# KiCad board RP2040_motor.kicad_pcb (continued)
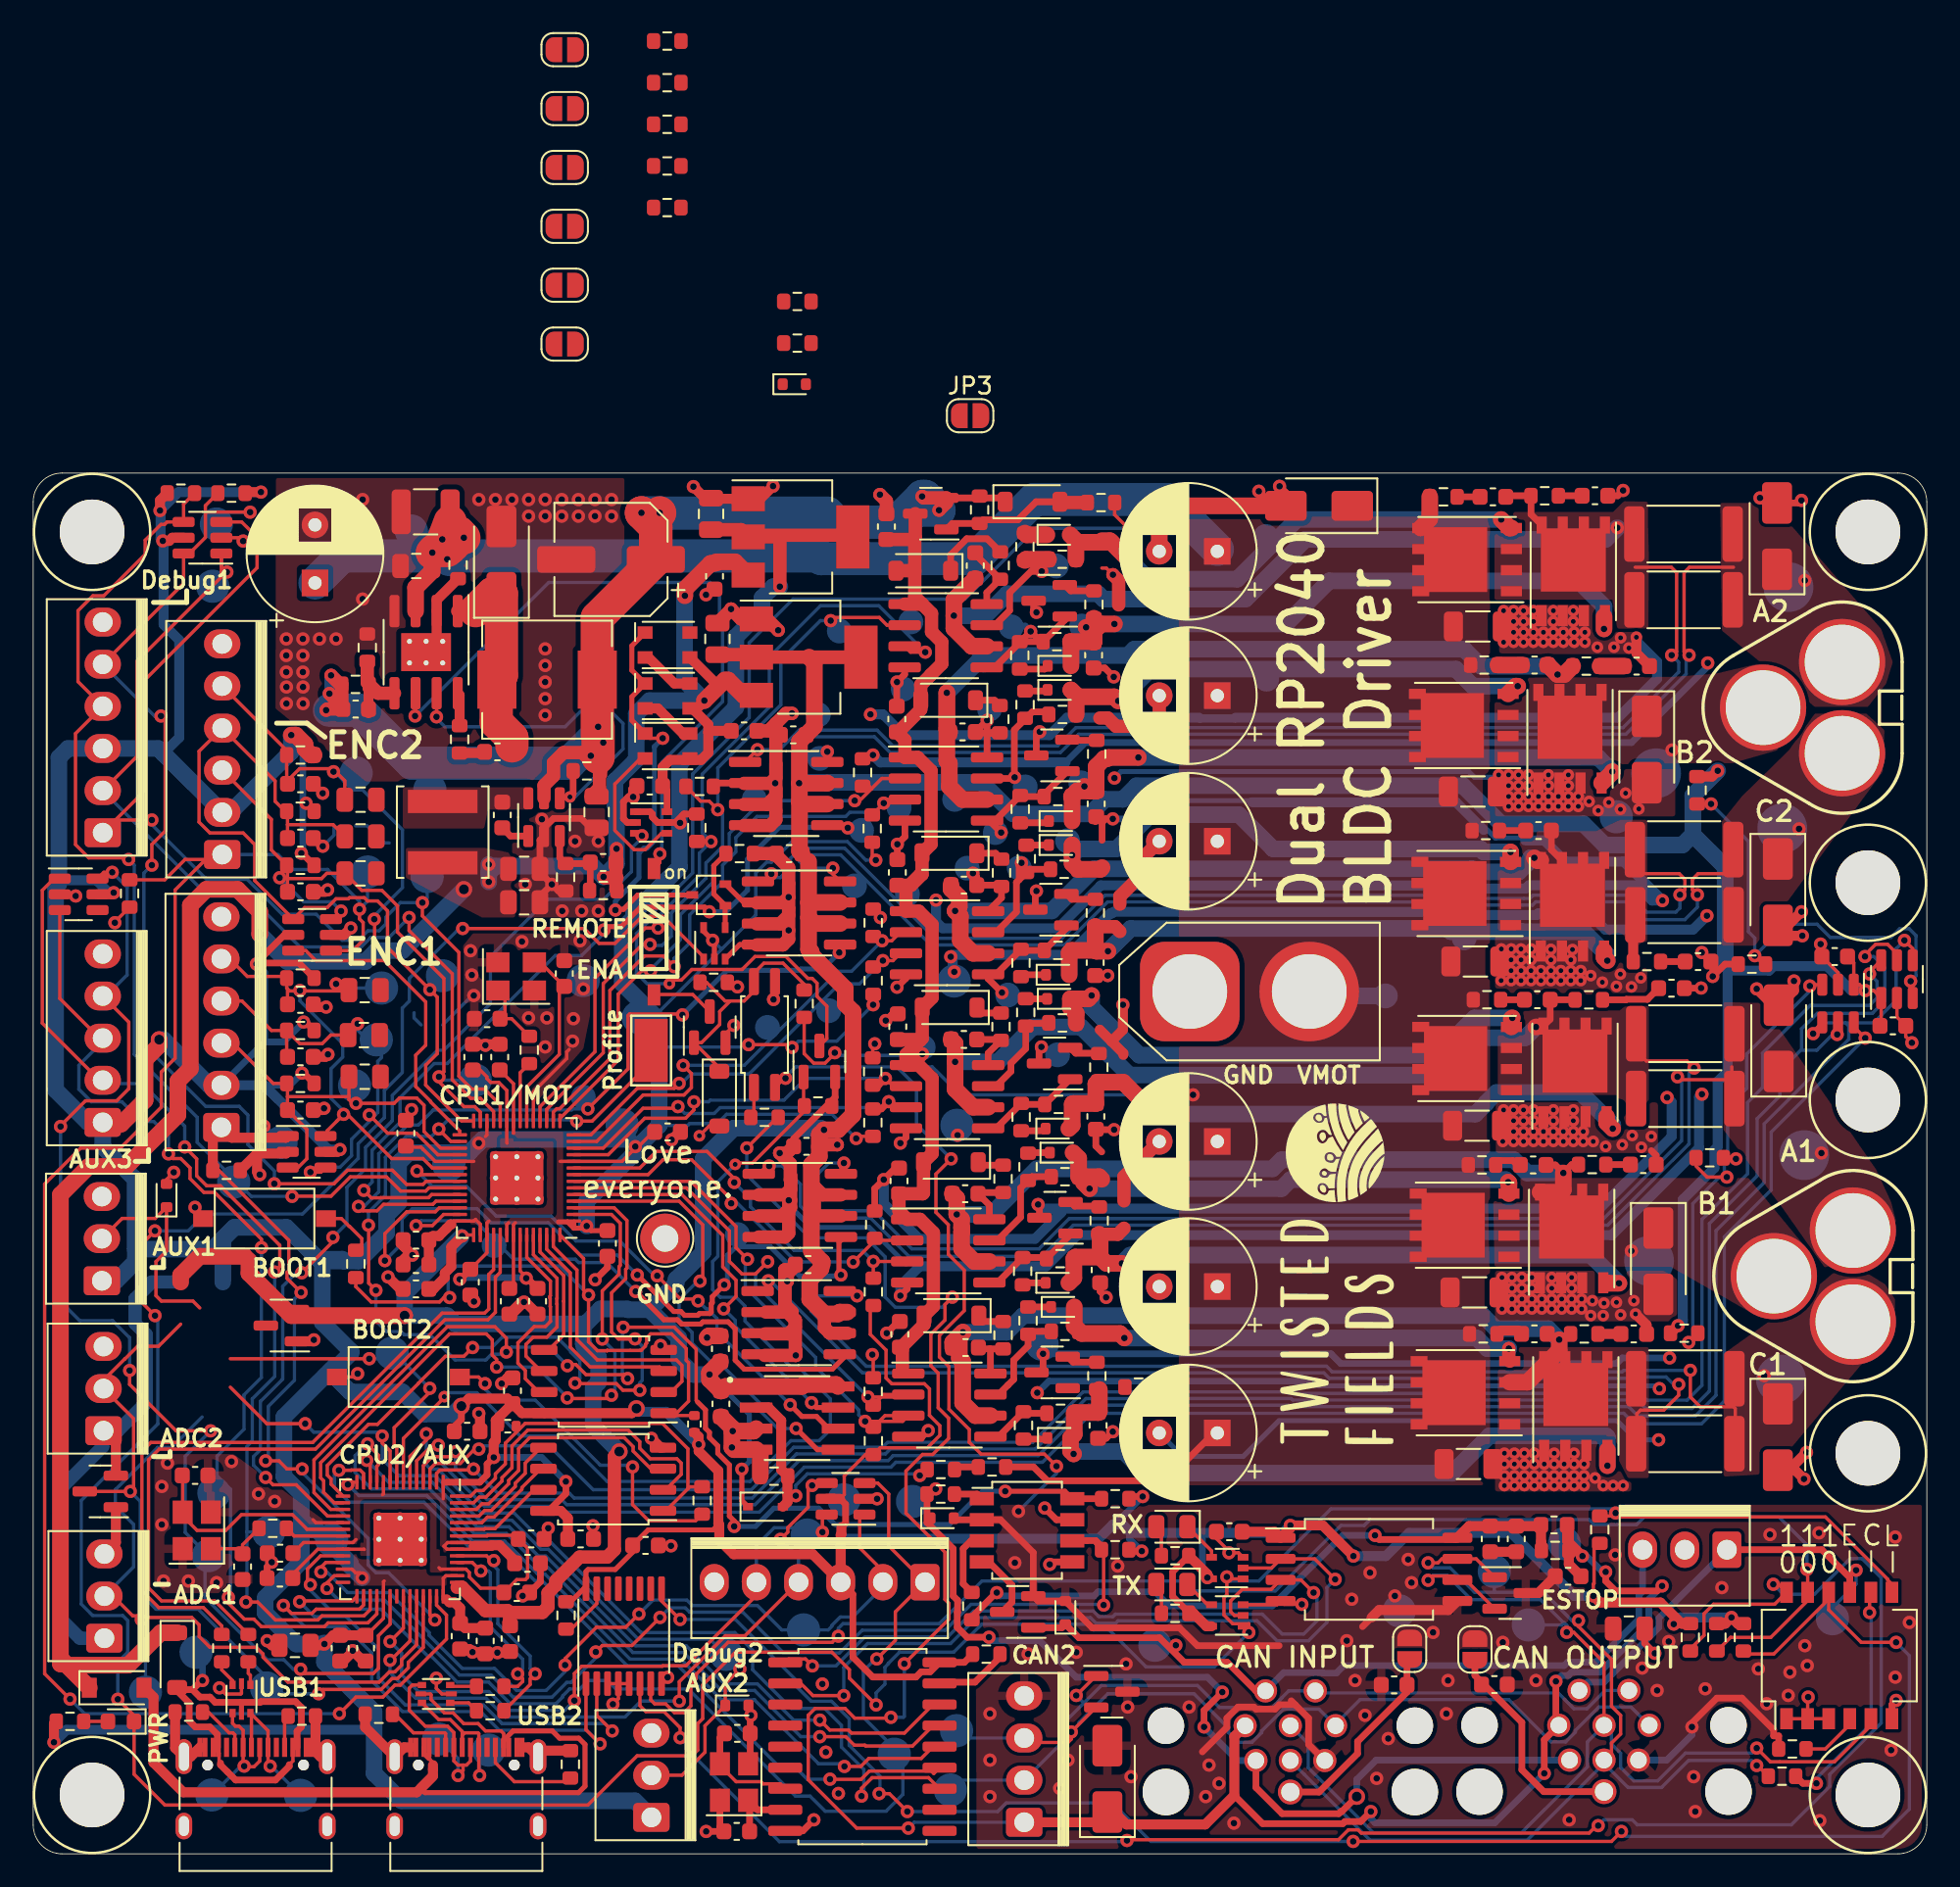
[diagram p0: board, top side]
## Routing (per net, layer and track width the routed paths; a pad name or vN(x,y) marks a point on that pad's centre or on a via; arc(x,y) is an arc through that point) (continued)
  Bottom w0.2: v2(18.45,8.45) 3.1,8.45 v2(2.22,9.33) ; 20.14,59.23 20.14,57.43 v2(19.66,56.95) 19.66,57.43 17.74,59.35 15.65,59.35 14.75,60.25 J4.1
/power_and_cpu/TXD: length 43.8
  Top w0.2: 72.91,14.37 72.38,14.37 72.15,14.6 72.15,15.25 72.85,15.95 74.6,15.95 U17.3 76.38,16.52 v2(77.15,15.75) ; U18.1 45.52,11.75 46.53,11.75 v2(46.95,11.33)
  Bottom w0.2: v2(77.15,15.75) 77.35,15.55 77.35,14.05 76.55,13.25 75.26,13.25 74.06,14.45 65.21,14.45 65.06,14.3 64.21,14.3 63.87,14.64 56.67,14.64 55.11,13.08 50.11,13.08 48.36,11.33 v2(46.95,11.33)
/power_and_cpu/TXO_2: length 42
  Top w0.2: v2(21.5,12.8) 22.3,13.6 22.3,14.94 22.31,14.95 U19.36 ; v2(32.61,9.24) 32.61,10.87 33.05,11.31 37.91,11.31 37.94,11.34 39.33,11.34 43.58,15.59 J12.5 43.54,16.42 42.79,16.42 ; U3.6 47.55,20.2 v2(47.55,19.4)
  Bottom w0.2: 46.53,19.4 v2(47.55,19.4) 47.29,19.66 44.65,19.66 43.58,18.59 J12.5 ; v2(32.61,9.24) 32.02,8.65 28.58,8.65 27.45,9.78 23.22,9.78 22.2,10.8 22.2,12.1 v2(21.5,12.8)
/power_and_cpu/USB_D+: length 8.3
  Top w0.2: J1.A6 13.15,8.42 U27.6 14.15,7.42 J1.B6 14.15,5.41 v2(14.28,5.29)
  Bottom w0.2: TP41.1 14.35,5.29 v2(14.28,5.29)
/power_and_cpu/USB_D-: length 8.2
  Top w0.2: 12.84,5.41 12.65,5.59 J1.B7 12.65,7.45 12.41,7.7 12.19,7.7 12.01,7.87 U27.4 ; 12.84,5.41 12.99,5.25 13.3,5.25 13.65,5.59 J1.A7 ; 12.84,5.41 v2(12.71,5.29)
  Bottom w0.2: TP42.1 12.5,5.29 v2(12.71,5.29)
/power_and_cpu/USB_D_2+: length 9.6
  Top w0.2: 25.84,6.44 J6.A6 25.85,7.14 26.01,7.3 26.8,7.3 26.85,7.25 J6.B6 26.85,4.78 v2(26.9,4.73) ; U28.6 24.43,8.09 25.13,8.09 25.85,7.38 25.85,7
  Bottom w0.2: TP43.1 26.9,5.71 v2(26.9,4.73)
/power_and_cpu/USB_D_2-: length 12.6
  Top w0.2: U28.4 22.85,10.18 22.66,9.99 22.66,8.66 23.63,7.7 24.97,7.7 25.35,7.31 J6.B7 25.35,5.59 25.6,5.35 25.9,5.35 ; v2(25.6,4.73) 25.9,5.03 25.9,5.35 ; J6.A7 26.35,5.59 26.1,5.35 25.9,5.35
  Bottom w0.2: v2(25.6,4.73) 25.6,5.75 TP39.1
/power_and_cpu/USB_DN: length 43.7
  Top w0.2: 11.36,13.3 R61.2 11.36,13.74 10.25,14.85 7.57,14.85 6.55,15.87 6.55,24.26 7.09,24.8 16.84,24.8 24.64,32.6 27.2,32.6 27.45,32.85 27.45,34.93 27.74,35.22 U15.46
/power_and_cpu/USB_DN_2: length 11.2
  Top w0.2: v2(26.97,17.05) 26.46,17.57 U19.46 ; R71.2 29.2,10.1 29.49,10.39 29.49,10.55 v2(29.2,10.85)
  Bottom w0.2: v2(29.2,10.85) 29.49,11.15 29.49,11.74 27.54,13.69 27.54,16.94 27.43,17.05 v2(26.97,17.05) 27.08,17.05
/power_and_cpu/USB_DP: length 44.3
  Top w0.2: U15.47 28.14,35.06 27.85,34.77 27.85,32.65 27.4,32.2 24.81,32.2 17.01,24.4 7.59,24.4 6.95,23.76 6.95,16.03 7.73,15.25 10.94,15.25 R60.2 12.96,13.3
/power_and_cpu/USB_DP_2: length 13.2
  Top w0.2: v2(30.24,10.85) 29.95,10.55 29.95,10.21 R70.2 ; v2(27.75,17.68) 27.6,17.68 27.32,17.97 U19.47
  Bottom w0.2: v2(30.24,10.85) 29.95,11.15 29.95,11.92 27.99,13.87 27.99,17.13 27.75,17.37 v2(27.75,17.68)
/power_and_cpu/VDC_CLK: length 24.6
  Top w0.2: v2(41.61,32.86) 42.35,33.6 42.35,34.58 41.55,35.38 41.55,37.29 39.09,39.75 U15.5
  Top w0.3: v2(46.9,27.2) 47.19,26.91 U22.7
  Bottom w0.2: v2(41.61,32.86) 42.3,32.16 42.3,31.8 v2(46.9,27.2)
/power_and_cpu/VDC_CS: length 28.2
  Top w0.2: U15.4 38.92,39.35 40.35,37.92 40.35,34.7 v2(40.18,34.53)
  Top w0.3: v2(45.97,25.65) 47.25,24.37 U22.5
  Bottom w0.2: v2(40.18,34.53) 40.04,34.53 38.92,33.41 38.92,32.22 39.7,31.44 39.7,30.79 40.79,29.7 41.25,29.7 43.85,27.1 43.85,26.65 44.86,25.64 45.96,25.64 v2(45.97,25.65)
/power_and_cpu/WS2812_SINK: length 25.3
  Top w0.2: D33.1 37.15,67.26 v2(37.93,67.26)
  Top w0.3: v2(35.08,56.9) 35.13,56.95 35.57,56.95 36.43,57.81 39.71,57.81 Q11.3 ; D33.1 36.07,68.34 36.07,69.76 D34.1 36.07,71.36 36.07,72.83 D35.1
  Bottom w0.3: v2(37.93,67.26) 37.43,66.76 37.43,61.07 36.99,60.63 36.79,60.63 36.5,60.34 36.5,58.86 35.08,57.44 v2(35.08,56.9)
/power_and_cpu/~{EN}: length 41.8
  Top w0.2: U33.6 23.04,68.63 v2(23.01,68.6) ; SW4.2 37.76,59.76 v2(37.76,60.29)
  Bottom w0.2: v2(37.76,60.29) 37.88,60.41 37.88,65.81 41.54,69.47 41.54,74.57 41.35,74.76 41.35,76.09 40.79,76.65 31.06,76.65 v2(23.01,68.6)
/power_and_cpu/~{USB_BOOT_2}: length 20.2
  Top w0.2: v2(27.23,28.35) 26.83,28.75 SW2.2 ; v2(36.11,23.33) 36.11,21.06 37.09,20.08 39.91,20.08 R66.2
  Top w0.4: R66.2 40.11,20.68
  Bottom w0.2: v2(27.23,28.35) 27.23,28.02 27.89,27.35 30.25,27.35 34.17,23.43 36.01,23.43 v2(36.11,23.33)
/power_and_cpu/~{USB_BOOT}: length 3.5
  Top w0.2: R41.2 19.8,36.75 19.8,37.09 19.06,37.83 19.04,37.83 18.57,38.3 SW1.2
M1A_PWM_H: length 23.3
  Top w0.2: v2(39.81,45.34) 39.81,44.85 39.31,44.35 36.85,44.35 34.65,42.15 U15.11 ; v2(51.35,46.75) 51.82,46.29 U7.2
  Top w0.4: R129.2 50.94,46.34 v2(51.35,46.75)
  Bottom w0.2: v2(51.35,46.75) 46.55,46.75 45.24,45.44 40.79,45.44 40.69,45.34 v2(39.81,45.34)
M1A_PWM_L\: length 22.8
  Top w0.2: U15.12 34.35,42.55 36.75,44.95 38.75,44.95 v2(38.85,45.05) ; v2(51.55,45.35) 51.88,45.02 U7.3
  Top w0.4: v2(51.55,45.35) 51.11,44.91 R130.2
  Bottom w0.2: v2(51.55,45.35) 51.19,44.99 41.39,44.99 41.04,44.64 39.26,44.64 v2(38.85,45.05)
M1A_SENSE: length 45.4
  Top w0.2: v2(21.19,35.76) 21.19,37.39 22.51,38.71 24.23,38.71 24.47,38.95 U15.40
  Top w0.3: v2(41.64,34.31) 40.92,33.59 40.92,33.23 40.86,33.17 40.86,32.66 40.77,32.58 40.15,32.58 40.04,32.47 39.25,32.47 39.02,32.7 38.6,32.7 v2(36.4,34.9) ; 48.85,37.17 48.55,36.87 48.55,35.02 v2(48.67,34.9)
  Bottom w0.2: v2(36.4,34.9) 35.2,36.1 32.99,36.1 31.03,38.05 27.58,38.05 26.73,38.9 22.85,38.9 22.23,38.28 22.23,36.8 v2(21.19,35.76)
  Bottom w0.3: v2(41.64,34.31) 41.83,34.5 41.83,36.09 42.35,36.61 44.41,36.61 46.18,34.84 48.61,34.84 v2(48.67,34.9)
M1B_PWM_H: length 23.7
  Top w0.2: v2(42.06,39.22) 42.06,39.46 39.67,41.85 37.95,41.85 37.05,40.95 U15.8 ; v2(49.41,35.68) 50.71,36.98 U4.2
  Bottom w0.2: v2(42.06,39.22) 42.44,39.22 45.97,35.69 49.4,35.69 v2(49.41,35.68)
M1B_PWM_L\: length 24.7
  Top w0.2: v2(42.24,40.48) 42.24,40.71 40.6,42.35 37.55,42.35 36.55,41.35 U15.9 ; U4.3 50.62,35.72 v2(50.62,35.72) 50.62,34.72 R126.2
  Bottom w0.2: v2(50.62,35.72) 49.96,36.38 45.85,36.38 43.22,39.01 43.22,39.5 v2(42.24,40.48)
M1C_PWM_H: length 31.4
  Top w0.2: R127.2 51.26,27.69 U1.2 52.58,27.54 v2(50.3,27.54) ; v2(44.26,35.7) 43.52,34.96 42.71,34.96 41.95,35.72 41.95,37.56 39.36,40.15 U15.6
  Bottom w0.2: v2(44.26,35.7) 43.53,34.97 43.53,34.21 43.95,33.79 44.05,33.79 v2(50.3,27.54)
M1C_PWM_L\: length 31.1
  Top w0.2: v2(50.13,26.08) 52.39,26.08 U1.3 51.33,26.42 R128.2 ; U15.7 39.62,40.55 42.35,37.82 42.35,36.54 v2(43.04,35.85)
  Bottom w0.2: v2(43.04,35.85) 42.91,35.72 42.91,34.17 47.15,29.93 47.15,29.35 49.74,26.76 49.74,26.46 v2(50.13,26.08)
M1C_SENSE: length 34.3
  Top w0.2: U15.41 24.73,38.55 24.05,37.87 v2(23.07,37.87)
  Top w0.3: v2(36.3,33.91) 38.01,32.2 38.81,32.2 39.07,31.94 40.22,31.94 40.35,32.08 41.88,32.08 42.3,31.65 42.3,29.76 42.84,29.22 48.15,29.22 49.05,30.12
  Bottom w0.2: v2(36.3,33.91) 34.56,35.65 32.87,35.65 32.67,35.85 28.95,35.85 26.63,38.17 23.37,38.17 v2(23.07,37.87)
M2A_PWM_H: length 45.9
  Top w0.2: v2(37.17,54.83) 36.71,54.83 34.35,52.47 34.35,48.3 30.94,44.89 U15.17 ; v2(41.25,62.95) 40.73,63.47 40.22,63.47 R120.2 ; U8.2 51.45,74.08 50.99,74.54 48.24,74.54 v2(48.05,74.35)
  Bottom w0.2: v2(37.17,54.83) 37.23,54.77 37.89,54.77 38.45,55.33 38.45,56.73 40.54,58.82 40.54,59.74 41.54,60.74 41.54,62.66 v2(41.25,62.95) 41.25,65.47 45.05,69.27 45.05,71.97 47.43,74.35 v2(48.05,74.35)
M2A_PWM_L\: length 49.3
  Top w0.2: U8.3 52.87,72.45 v2(53.75,72.45) ; U15.18 30.54,45.05 33.85,48.36 33.85,52.79 36.88,55.82 v2(37.65,55.82) ; v2(40.84,61.03) 40.83,61.04 R119.2
  Bottom w0.2: v2(40.84,61.03) 40.31,61.56 40.31,65.1 44.35,69.14 44.35,72.16 47.44,75.25 50.95,75.25 v2(53.75,72.45) ; v2(40.84,61.03) 40.14,60.33 40.14,58.98 37.65,56.49 v2(37.65,55.82) ; v2(40.84,61.03) 40.42,61.45
M2A_SENSE: length 49
  Top w0.2: v2(19.92,40) 20.37,39.55 20.93,39.55 20.94,39.56 23.82,39.56 24.01,39.75 U15.38
  Top w0.3: v2(49.08,61.86) 48.92,62.02 U21.5 ; v2(34.39,55.7) 34.59,55.9 35.43,55.9 36.61,57.08 40.46,57.08 v2(40.74,56.8)
  Bottom w0.2: v2(19.92,40) 20.42,40.5 20.42,42.42 22.1,44.1 22.1,45.59 24.16,47.65 24.95,47.65 31.46,54.16 33.05,54.16 34.39,55.5 v2(34.39,55.7)
  Bottom w0.3: v2(40.74,56.8) 41.74,56.8 43.04,58.1 43.04,59.97 44.96,61.89 49.05,61.89 v2(49.08,61.86)
M2B_PWM_H: length 34.4
  Top w0.2: 50.52,64.22 50.37,64.37 R121.2 ; 50.52,64.22 49.79,63.5 v2(49.5,63.5) ; 50.52,64.22 51.13,64.84 U5.2 ; U15.15 31.74,44.34 35.25,47.85 35.25,51.83 36.66,53.24 v2(37.2,53.24)
  Bottom w0.2: v2(37.2,53.24) 37.2,53.32 39,55.12 39,56.62 40.94,58.56 40.94,59.57 41.94,60.57 41.94,61.51 43.93,63.5 v2(49.5,63.5)
M2B_PWM_L\: length 36.7
  Top w0.2: R122.2 51.25,63.34 v2(51.25,63.35) 51.46,63.57 U5.3 ; v2(38.62,53.49) 37.98,54.13 36.83,54.13 34.75,52.05 34.75,47.95 31.73,44.93 31.55,44.93 31.34,44.72 U15.16
  Bottom w0.2: v2(38.62,53.49) 38.62,53.99 39.56,54.93 39.56,56.61 41.54,58.59 41.54,59.61 42.34,60.41 42.34,61.27 43.62,62.55 48.96,62.55 49.21,62.8 50.7,62.8 v2(51.25,63.35) 51.7,63.35 52.02,63.03
M2C_PWM_H: length 27.4
  Top w0.2: R123.2 50.88,55.05 v2(51.15,55.05) 51.73,55.05 52.25,55.57 U2.2 ; v2(39.16,47.54) 39.66,47.04 39.66,46.2 39.21,45.75 36.75,45.75 33.95,42.95 U15.13
  Bottom w0.2: v2(39.16,47.54) 42.85,47.54 48.52,53.21 49.31,53.21 v2(51.15,55.05)
M2C_PWM_L\: length 25.3
  Top w0.2: U2.3 52.25,54.3 51.81,53.85 v2(51.2,53.85) 50.81,53.47 R124.2 ; v2(38.92,46.45) 38.62,46.15 36.4,46.15 33.6,43.35 U15.14
  Bottom w0.2: v2(51.2,53.85) 49.79,52.45 48.57,52.45 43.14,47.02 39.63,47.02 39.06,46.45 v2(38.92,46.45)
M2C_SENSE: length 45.5
  Top w0.2: v2(19.6,39.03) 19.86,38.77 20.72,38.77 21.11,39.16 24.08,39.16 24.27,39.35 U15.39 ; v2(33.42,44.91) 35.84,47.33 35.84,50.54 35.93,50.64 39.07,50.64 v2(39.12,50.58)
  Top w0.3: U44.5 48.57,54.77 v2(48.57,54.34)
  Bottom w0.2: v2(33.42,44.91) 32.5,44.91 32.44,44.85 24.11,44.85 23.2,43.94 22.55,43.94 20.82,42.21 20.82,39.91 19.94,39.03 v2(19.6,39.03)
  Bottom w0.3: v2(48.57,54.34) 47.58,53.35 46.26,53.35 46.18,53.27 41.81,53.27 v2(39.12,50.58)
VMOT: length 115.5
  Top w0.2: R102.1 46.46,48.25 47.03,47.67 47.71,47.67 48.3,48.26 v2(48.3,48.3)
  Top w0.4: R2.1 60.27,23.33 61.11,22.49 68.26,22.49 71.39,25.62
  Top w0.6: 17.1,76.51 C120.1
  Top w1: R86.1 84.15,80.48 83.6,79.94 ; U33.3 23.04,76.34 24.04,77.34 C112.1
  Top w2: 24.95,78.58 24.18,78.58 v2(24.05,78.45) ; 25.13,80.31 24.65,79.05 25.13,78.74 25.65,79.26 25.65,79.65 v2(25.95,79.35)
  Bottom w0.2: v2(48.3,48.3) 48.46,48.14 52.24,48.14 52.93,47.45 54.17,47.45 55.86,45.76 v2(69.89,45.76)
  Bottom w1: 76.99,51.99 77.25,51.73 TP72.1
  Bottom w2: 71.35,78.65 68.35,81.65 60.3,81.65 56.74,78.09 47.49,78.09 47.33,78.25 25.25,78.25 ; 25.25,78.25 25.05,78.05 25.25,78.05 25.25,78.25 ; 25.25,78.25 24.25,78.25 v2(24.05,78.45) 23.85,78.25 18.61,78.25 C120.1 ; v2(24.65,79.25) 25.45,79.25
  vias: v2(24.95,78.05)
Net-(C28-Pad1): length 4
  Top w0.2: 30.09,49.19 29.99,49.19 28.83,50.35 28.43,50.35 28.43,51.62 Y1.1
Net-(C42-Pad1): length 4
  Top w0.2: Y2.1 12.31,18.4 C42.1 12.62,18.63 R47.2
Net-(C93-Pad1): length 1.4
  Top w0.4: R4.2 C93.1
Net-(C99-Pad1): length 1.7
  Top w0.4: C99.1 89.41,41.54 89.15,41.8 88.39,41.8 88.12,41.54
Net-(C100-Pad1): length 1.6
  Top w0.6: C100.1 89.48,31.55 88.45,31.55 88.25,31.35
Net-(C101-Pad1): length 1.4
  Top w0.4: C101.1 R86.2
Net-(C102-Pad1): length 1.4
  Top w0.4: C102.1 R87.2
Net-(C103-Pad1): length 1.6
  Top w0.4: C103.1 R88.2
Net-(C104-Pad1): length 1.5
  Top w0.4: R89.2 C104.1
Net-(C105-Pad1): length 1.4
  Top w1: R90.2 C105.1
Net-(C106-Pad1): length 1.4
  Top w1: R91.2 C106.1
Net-(C107-Pad1): length 3.7
  Top w0.4: R92.2 95.97,51.49 96,51.52 97.26,51.52 97.27,51.52 C107.1
Net-(C108-Pad1): length 1.5
  Top w0.4: R93.2 C108.1
Net-(C109-Pad1): length 1.4
  Top w0.6: R94.2 C109.1
Net-(C114-Pad2): length 1.5
  Top w0.6: R98.2 27.13,66.37 C114.2
Net-(D2-K): length 1.6
  Top w0.4: R26.1 57.93,69.55 D2.1
Net-(D5-K): length 1.6
  Top w0.4: R7.2 59.63,53 D5.1
Net-(D6-K): length 1.4
  Top w0.4: 59.84,60.82 61.19,60.82 D6.1
Net-(D7-K): length 4.7
  Top w0.4: 58.27,78.5 57.47,79.29 56.25,79.29 55.29,78.33 D7.1
Net-(D10-K): length 1.6
  Top w0.4: 56.85,60.33 57.99,60.33 R1.1
Net-(D11-K): length 1.6
  Top w0.4: D11.1 57.34,32.09 58.44,32.09
Net-(D12-K): length 1.5
  Top w0.4: R20.2 61.04,25.01 D12.1
Net-(D13-K): length 1.4
  Top w0.4: R82.2 59.95,32.98 D13.1
Net-(D14-K): length 1.8
  Top w0.4: R30.2 60.93,71.43 D14.1
Net-(D15-K): length 1.4
  Top w0.4: 61.13,70.18 61.06,70.11 R22.2
Net-(D16-K): length 1.8
  Top w0.4: D16.1 61.1,62.16 R18.2
Net-(D17-K): length 1.4
  Top w1: D17.1 59.86,79.53 R31.2
Net-(D19-K): length 1.6
  Top w0.4: D19.1 57.2,50.7 R37.1
Net-(D20-K): length 1.5
  Top w0.4: R38.2 60.88,43.59 D20.1
Net-(D21-K): length 1.6
  Top w0.4: R6.1 57.13,41.52 D21.1
Net-(D22-K): length 1.4
  Top w0.4: R34.2 59.74,34.43 D22.1
Net-(D23-K): length 1.3
  Top w0.4: R35.2 59.98,42.28 D23.1
Net-(D24-K): length 1.3
  Top w0.4: D24.1 59.81,51.55 R39.2
Net-(D31-A): length 16.9
  Top w0.2: 45.45,21.62 45.48,21.59 v2(45.95,21.59) ; v2(53.42,22.81) 53.42,22.88 53.85,23.31
  Top w0.6: D31.2 45.45,21.21 45.45,22.76 R65.1 45.07,23.16 45.07,26.13 44.29,26.91 U22.2
  Bottom w0.2: v2(53.42,22.81) 53.32,22.91 46.64,22.91 45.95,22.22 v2(45.95,21.59)
Net-(D33-DIN): length 8.9
  Top w0.2: U10.4 37.86,61.53 36.87,60.54 36.21,60.54 35.05,61.7 35.05,64.5 36.5,65.95
Net-(D33-DOUT): length 3
  Top w0.6: 39.2,67.45 39.2,67.5 37.64,69.06 D34.2
Net-(D34-DOUT): length 3.4
  Top w0.6: D35.2 37.07,72.13 38.64,70.56 D34.4
Net-(D38-A): length 1.9
  Top w0.2: D38.2 67.98,15.92 67.98,14.5
Net-(D38-K): length 2
  Top w0.2: U6.4 70.76,15.02 D38.1
Net-(D39-A): length 1.9
  Top w0.2: R68.2 67.98,19.41 D39.2
Net-(D39-K): length 2.4
  Top w0.2: D39.1 71,18.27 U23.4
Net-(D41-A): length 1.5
  Top w0.2: R77.2 4.5,7.99 D41.2
Net-(D45-K): length 15.2
  Top w0.2: R102.2 46.46,52.43 45.18,53.7 44.03,53.7 43.43,53.1 U16.4 43.43,52.01 42.84,51.42 41.69,51.42 40.56,52.55 R103.1 ; D45.1 41.35,47.38 Q8.1 40.27,48.91 41.37,50 41.37,50.79 42,51.42
Net-(D46-A): length 9.2
  Top w0.4: Q10.1 55.39,80.21 R139.1 57.24,80.43 59.34,80.43 60.43,81.52 D46.2
  Top w0.8: R104.1 61.92,81.47 D46.2
Net-(J1-CC1): length 3.3
  Top w0.2: J1.A5 12.15,7.18 12.03,7.3 11.8,7.3 10.56,8.54 R43.2
Net-(J1-CC2): length 2
  Top w0.2: J1.B5 15.15,8.09 R44.1
Net-(J6-CC1): length 4.5
  Top w0.2: J6.A5 24.85,7.25 24.8,7.3 22.91,7.3 21.8,8.41 R40.2
Net-(J6-CC2): length 6
  Top w0.2: R46.1 32.14,4.35 28.99,4.35 27.85,5.49 J6.B5
Net-(JP2-B): length 0.1
  Top w0.2: 20.88,52.03 C89.2
Net-(JP5-B): length 2.4
  Bottom w0.2: 19.43,61.98 20.13,61.98 21.15,60.95 21.45,60.95
Net-(JP6-B): length 13.3
  Top w0.4: J17.9 91.02,3.75 89.7,5.07 89.7,7.93 86.87,10.76 JP6.2
Net-(JP7-B): length 12
  Top w0.4: J2.9 77.48,3.73 79.8,6.04 79.8,6.77 82.78,9.75 82.78,11.56 JP7.2 82.94,11.76
Net-(Q1-E): length 1.8
  Top w0.4: R23.1 62.36,67.14 62.32,67.18
Net-(Q2-E): length 1.9
  Top w0.4: Q2.2 62.58,57.55 R29.1
Net-(Q3-E): length 1.9
  Top w0.4: R36.1 62.51,76.15 Q3.2
Net-(Q4-E): length 1.9
  Top w0.4: Q4.2 62.81,48.27 64.24,48.27
Net-(Q5-E): length 1.8
  Top w0.4: Q5.2 62.76,39.05 64.19,39.05 R81.1
Net-(Q6-B): length 0.1
  Top w0.4: 62.48,28.08 Q6.1
Net-(Q6-E): length 2
  Top w0.4: Q6.2 62.66,29.65 64.24,29.65
Net-(Q7-D): length 4.3
  Top w0.4: Q7.3 58.98,15.18 58.98,16.2 57.58,17.6 U34.4
Net-(Q8-D): length 3.8
  Top w0.2: Q8.3 39.74,51.81 37.43,51.81 SW4.1
Net-(Q9-D): length 67
  Top w0.2: v1(38.34,52.46) 38.56,52.68 39.05,52.68 39.69,53.32 42.71,53.32 43.49,54.1 45.36,54.1 46.68,52.78 46.94,52.78 47.23,52.49 47.23,51.7 47.82,51.11 47.82,49.16 Q9.3 ; v1(65.98,79.92) 65.17,80.73 R104.2
  Bottom w0.2: v1(38.34,52.46) 36.99,52.46 36.35,53.1 36.35,55.48 36.98,56.11 36.98,56.39 39.74,59.15 39.74,65.11 43.14,68.51 43.14,73.01 45.78,75.65 56.14,75.65 60.41,79.92 v1(65.98,79.92)
Net-(Q11-G): length 5.1
  Top w0.3: U25.4 41.7,57.15 Q11.1 41.02,57.87 41.02,59.58 R138.1
Net-(R2-Pad2): length 1.5
  Top w0.4: R2.2 55.51,23.33 55.5,23.31
Net-(R10-Pad1): length 3.4
  Top w0.2: R10.1 107.98,6.33 109.46,7.8 109.46,8
Net-(R48-Pad2): length 4.2
  Top w0.4: U34.3 56.51,18.87 56.04,18.4 56.04,16.29 56.55,15.77 R48.2
Net-(R60-Pad1): length 1.4
  Top w0.2: U27.1 13.09,10.76 12.96,10.89 R60.1
Net-(R61-Pad1): length 1.7
  Top w0.2: R61.1 11.36,11.09 12.01,10.44 U27.3
Net-(R70-Pad1): length 1.8
  Top w0.2: 25.13,9.1 26.24,9.1 R70.1
Net-(R71-Pad1): length 1.6
  Top w0.2: 25.13,10.18 25.2,10.1 R71.1
Net-(R75-Pad2): length 1.8
  Top w0.4: R75.2 56.88,21.69 U34.1
Net-(R95-Pad1): length 5.2
  Top w0.6: R95.1 24.31,75.59 U33.2 24.31,73.09 U33.9
Net-(R100-Pad2): length 1.9
  Top w0.2: U16.1 43.43,44.59 R100.2
Net-(U1-HO): length 6.4
  Top w0.4: 61.41,31.5 60.13,31.5 R82.1 59.95,30.62 59.08,29.76 59.08,28.6 58.74,28.26 58.73,28.26 58.16,27.69 U1.7
Net-(U1-LO): length 4.1
  Top w0.4: R83.1 59.77,26.56 59.67,26.66 58.17,25.15 U1.5
Net-(U1-VB): length 3
  Top w0.4: 57.65,30.45 57.68,30.42 U1.8 ; 57.65,30.45 57.04,30.45 C85.2 ; 57.65,30.45 R19.2
Net-(U2-HO): length 7.4
  Top w0.4: R28.1 60.04,59.36 R8.1 59.41,58.74 ; 59.41,58.74 59.24,58.57 59.24,56.79 58.02,55.57 U2.7 ; 59.41,58.74 59.41,59.61 v2(59.55,59.75)
Net-(U2-LO): length 7.5
  Top w0.4: 62.26,55.98 62.26,55.8 R27.1 59.59,54.47 59.52,54.54 59.52,54.52 58.02,53.03 U2.5 57.54,52.76 v2(58.38,51.93)
Net-(U2-VB): length 4.2
  Top w0.4: v2(56.62,59.13) 56.85,58.89 56.85,58.41 58.26,58.41 R1.2 58.35,57.64 U2.8
Net-(U4-HO): length 6.4
  Top w0.4: U4.7 58.1,36.98 59.49,38.38 59.49,40.15 R35.1 60.18,40.83 61.35,40.83
Net-(U4-LO): length 6.2
  Top w0.4: U4.5 58.11,34.45 R34.1 60.99,35.96 R78.1 62.51,37.34 62.51,37.4
Net-(U4-VB): length 3.4
  Top w0.4: R6.2 57,39.87 C71.2 57.62,39.11 U4.8
Net-(U5-HO): length 7.3
  Top w0.4: 58.88,64.84 58.95,64.9 v2(59.14,64.9) ; 58.88,64.84 59.12,65.07 59.12,67.77 60.21,68.85 61.04,68.85 R24.1 ; 58.88,64.84 U5.7
Net-(U5-LO): length 7.4
  Top w0.4: 62.32,65.28 60.91,63.87 R25.1 59.54,63.74 R18.1 57.96,62.3 U5.5 57.6,62.3 v2(58.32,61.58)
Net-(U5-VB): length 5
  Top w0.4: 58.24,67.59 57.75,67.59 ; 57.75,67.59 56.83,67.59 C13.2 56.77,67.64 v2(57.48,68.35) 57.48,68.34 U5.8 ; 57.75,67.59 57.71,67.55 57.48,67.55
Net-(U7-HO): length 6.3
  Top w0.4: U7.7 58.02,46.29 58.92,47.18 58.92,47.66 59.8,48.55 R39.1 59.97,50.07 61.2,50.07
Net-(U7-LO): length 6.2
  Top w0.4: 62.48,46.7 62.47,46.7 R59.1 59.59,45.19 R38.1 58.03,43.75 U7.5
Net-(U7-VB): length 3.3
  Top w0.4: U7.8 57.54,48.27 R37.2 58.26,49.1 56.85,49.1
Net-(U8-HO): length 8
  Top w0.4: U8.7 57.95,74.08 58.84,74.96 58.84,76.03 60.12,77.32 v2(60.77,77.32) 60.55,77.32 59.82,78.05
  Top w1: R31.1 59.82,78.05 R33.1
Net-(U8-LO): length 9.8
  Top w0.4: R30.1 59.45,73.09 R32.1 ; R30.1 59.48,73.08 v2(60.1,73.7) 60.71,73.09 R32.1 ; R30.1 59.45,73.04 57.94,71.54 U8.5 ; R32.1 62.16,74.39 62.16,74.6
  Bottom w0.4: v2(60.1,73.7) 59.77,74.03 58.43,74.03
Net-(U8-VB): length 4
  Top w0.4: C70.2 56.77,78.34 R3.2 57.46,76.04 U8.8
Net-(U9-VIN): length 27.1
  Top w0.2: v2(103.73,54.15) 104.24,53.64 R45.1 ; U9.3 113.25,52.49 v2(113.12,52.61) ; TH1.2 v2(101.1,63.3)
  Bottom w0.2: v2(101.1,63.3) 103.35,61.05 103.35,55.6 103.73,55.22 v2(103.73,54.15) 105.63,56.05 107.49,56.05 108.29,55.25 111.94,55.25 112.46,55.77 113.04,55.77 113.45,55.36 113.45,52.94 v2(113.12,52.61)
Net-(U15-XIN): length 11.4
  Top w0.2: U15.20 29.74,46.24 31.7,48.2 31.7,52 C27.1 30.55,53.75 Y1.3
Net-(U15-XOUT): length 3.7
  Top w0.2: R52.1 29.34,47.09 U15.21
Net-(U18-OSC1): length 4.4
  Top w0.4: U18.8 43.65,2.65 Y3.1 43.17,3.14 C58.1
Net-(U18-OSC2): length 6.6
  Top w0.2: 41.38,5.43 41.38,5.33 42.35,4.35 43.85,4.35 43.99,4.22 45.02,4.22 U18.7
  Top w0.4: C57.1 41.38,6.99 41.38,5.43
Net-(U18-~{RESET}): length 4.5
  Top w0.4: R72.1 58.26,11.86 56.75,10.35 54.69,10.35 U18.17
Net-(U19-XIN): length 13.2
  Top w0.2: U19.20 16.5,19.57 15.62,20.45 12.55,20.45 11.6,19.5 9.88,19.5 9.01,20.37 Y2.3 9.01,22.79 C19.1
Net-(U19-XOUT): length 3.6
  Top w0.2: R47.1 15.72,19.17 U19.21
Net-(U24-BS): length 1.8
  Top w0.4: U24.1 28.76,61.36 C98.1
Net-(U24-FB): length 5
  Top w0.4: R15.1 33.57,58.12 33.57,59.77 33.5,59.71 R16.1 31.73,60.06 U24.3
Net-(U26-VIN): length 28.6
  Top w0.2: U26.3 107.13,52.4 v2(107.05,52.33) ; v2(99.75,30.84) 100.31,31.39 ; v2(102.05,40.8) 100.86,40.8 100.19,41.47
  Bottom w0.2: v2(107.05,52.33) 107.05,52.03 103.25,48.23 103.25,46.15 102.1,45 102.1,42.39 101.9,42.19 101.9,40.95 v2(102.05,40.8) 101.6,40.8 100,39.2 100,31.09 v2(99.75,30.84)
Net-(U35-~{RESET}): length 3.4
  Top w0.2: U35.15 33.96,15.09 32.42,13.55 R137.1

## Copper pours and planes (outline as drawn; the poured copper is in the pictures)
+1V1 on Top: 27.14,38.95 30.74,38.95 30.74,42.35 28.14,42.35 28.14,43.15 28.94,43.15 28.94,42.95 31.34,42.95 31.34,38.55 28.54,38.55 28.54,38.35 28.14,38.35 28.14,37.95 27.14,37.95
+3V3 on Top: 26.34,43.55 31.94,43.55 31.94,37.95 26.34,37.95
+3V3 on Top: 19.31,16.17 19.31,21.77 24.91,21.77 24.91,16.17
+5V on Top: 22.45,60.65 27.25,60.65 29.25,60.25 29.25,56.45 27.05,56.45 22.45,58.85
/power_and_cpu/1V1_2 on Top: 23.91,16.97 23.91,20.57 20.51,20.57 20.51,17.97 19.71,17.97 19.71,18.77 19.91,18.77 19.91,21.17 24.31,21.17 24.31,18.37 24.51,18.37 24.51,17.97 24.91,17.97 24.91,16.97
GND on Top: 28.85,63.05 34.45,63.05 34.45,56.45 28.85,56.45
GND on Top: 99.05,34.65 98.25,35.15 88.08,35.15 88.08,32.1 99.05,32.1
GND on Top: 97.9,45.3 88.13,45.3 88.13,42.25 97.9,42.25
GND on Top: 96.88,75.3 88.33,75.3 88.33,72.33 96.88,72.33
GND on Top: 25.9,49.6 25.9,54.75 26.5,55.5 33.25,55.5 33.6,54.9 33.6,50.8 33.15,48.55 30.35,45.35 29.35,45.35 29.35,49.6
GND on Top: 97.25,55.3 88.08,55.3 88.08,51.8 97.25,51.8
GND on Top: 98.95,65.4 88.08,65.4 88.08,62.55 98.95,62.55
GND on Top: 14.63,83.3 35.63,83.3 35.6,67.15 33.6,64.65 20.05,64.65 14.6,69.05
GND on Top: 96.3,24.9 88.08,24.9 88.08,21.85 96.3,21.85
GND on Top: 13.21,15.72 8.06,15.72 7.31,16.32 7.31,24.12 12.05,24.12 14.05,22.65 17.46,20.17 17.46,19.17 13.21,19.17
GND on In1.Cu: -0.12,21.48 114.15,21.48 114.15,83 0,83.25
GND on In1.Cu, In2.Cu: 67.15,21.05 113.9,21.05 114,-2 -0.27,-1.99 -0.27,22.34 67.15,22.25
GND on In2.Cu: 118.35,21.85 57.05,21.85 57.05,83.45 118.35,83.45
GND on In2.Cu: 67.15,-1.05 0.35,-1.05 0.35,83.1 67.15,83.1
GND_ISO on Top, Bottom: 56.85,0.15 114.35,0.15 114.25,21.05 56.75,21.05
/gate_drive/M1A_N on Top: 101.85,51.35 104.15,51.3 111.05,41.25 111.95,39.3 112.25,38.15 111.45,36.85 110.55,36.25 107.95,35.35 107.15,36.45 105.4,38.95 101.85,43.65
/gate_drive/M1A_P on Top: 88.25,50.85 95.6,50.85 96.1,51.25 97.35,51.25 97.35,43.65 96.05,43.65 95.45,45.75 88.25,45.75
/gate_drive/M1B on Top: 87.95,40.75 103.35,40.75 106.65,36.75 103.55,32.6 98.65,35.4 88.05,35.4
/gate_drive/M1C_N on Top: 101.85,22.74 101.85,30.15 107.19,33.94 108.49,35.04 110.29,35.14 111.59,34.34 112.19,33.44 112.15,31.25 111.09,30.14 110.19,29.54 104.6,22.9
/gate_drive/M1C_P on Top: 88.25,30.55 97.35,30.55 97.35,22.65 96.1,22.65 94.75,25.25 88.25,25.25
/gate_drive/M2A_N on Top: 101.65,81.45 104.75,81.45 111.35,73.85 112.05,71.85 111.65,70.55 110.55,69.15 107.35,69.15 101.75,73.75
/gate_drive/M2A_P on Top: 88.05,80.9 95.2,80.9 95.85,81.55 97.3,81.53 97.3,80.28 97.35,78.33 97.32,73.88 95.45,73.87 95.15,75.62 88.05,75.6
/gate_drive/M2B on Top: 88.05,70.9 98.85,70.97 101.35,71.15 104.35,71.85 105.15,66.55 102.4,65.76 98.35,65.74 88.05,65.55
/gate_drive/M2C_N on Top: 101.75,62.25 102.95,63.75 105.8,66.55 107.35,68.75 110.45,68.75 111.55,67.75 111.45,65.25 103.75,54.75 101.75,54.75
/gate_drive/M2C_P on Top: 88.25,61.65 94.15,61.65 95.65,62.35 97.25,62.35 97.25,54.75 95.7,54.75 94.6,55.68 88.25,55.65
VMOT on Top: 87.78,22.22 69.03,22.22 69.03,80.62 87.78,80.62
Net-(U24-SW) on Top: 27.18,61.81 27.4,62.96 30.17,62.96 30.17,64.31 22.27,64.31 22.27,61.81

## Text on the board
B.Silkscreen: GND | 5V ISO | GND ISO | VMOT | The smallest change / can be the beginning / of something big. | Enc2 Filt | Enc1 Filt | Love everyone. | github.com/Twisted-Fields/rp2040-motor-controller | You can do it! | We need your help. / Fork the design and make it yours. | Please clone this board! | Dual CPU / Version 3.2 | We are all star stuff. | ENC2 | ENC1 | open collective for / funding this work! | Many thanks to / Daniel Theobald and / our supporters on | Designed by / Sequoia Sempervirens / For Twisted Fields | RP2040 Brushless Motor Controller
F.Silkscreen: on | CPU2/AUX | CPU1/MOT | AUX3 | AUX1 | Debug1 | ADC2 | ADC1 | USB1 | BOOT1 | BOOT2 | USB2 | REMOTE | ENA | GND | AUX2 | Debug2 | CAN2 | RX | TX | VMOT | ESTOP | PWR | Profile | 0 | 1 | C | CAN INPUT | CAN OUTPUT | B2 | B1 | C1 | A2 | C2 | A1 | Love / everyone. | ENC2 | ENC1 | Dual RP2040 / BLDC Driver
